# Altium PCB IMX477_MIPI_HDMI.PcbDoc (continued)
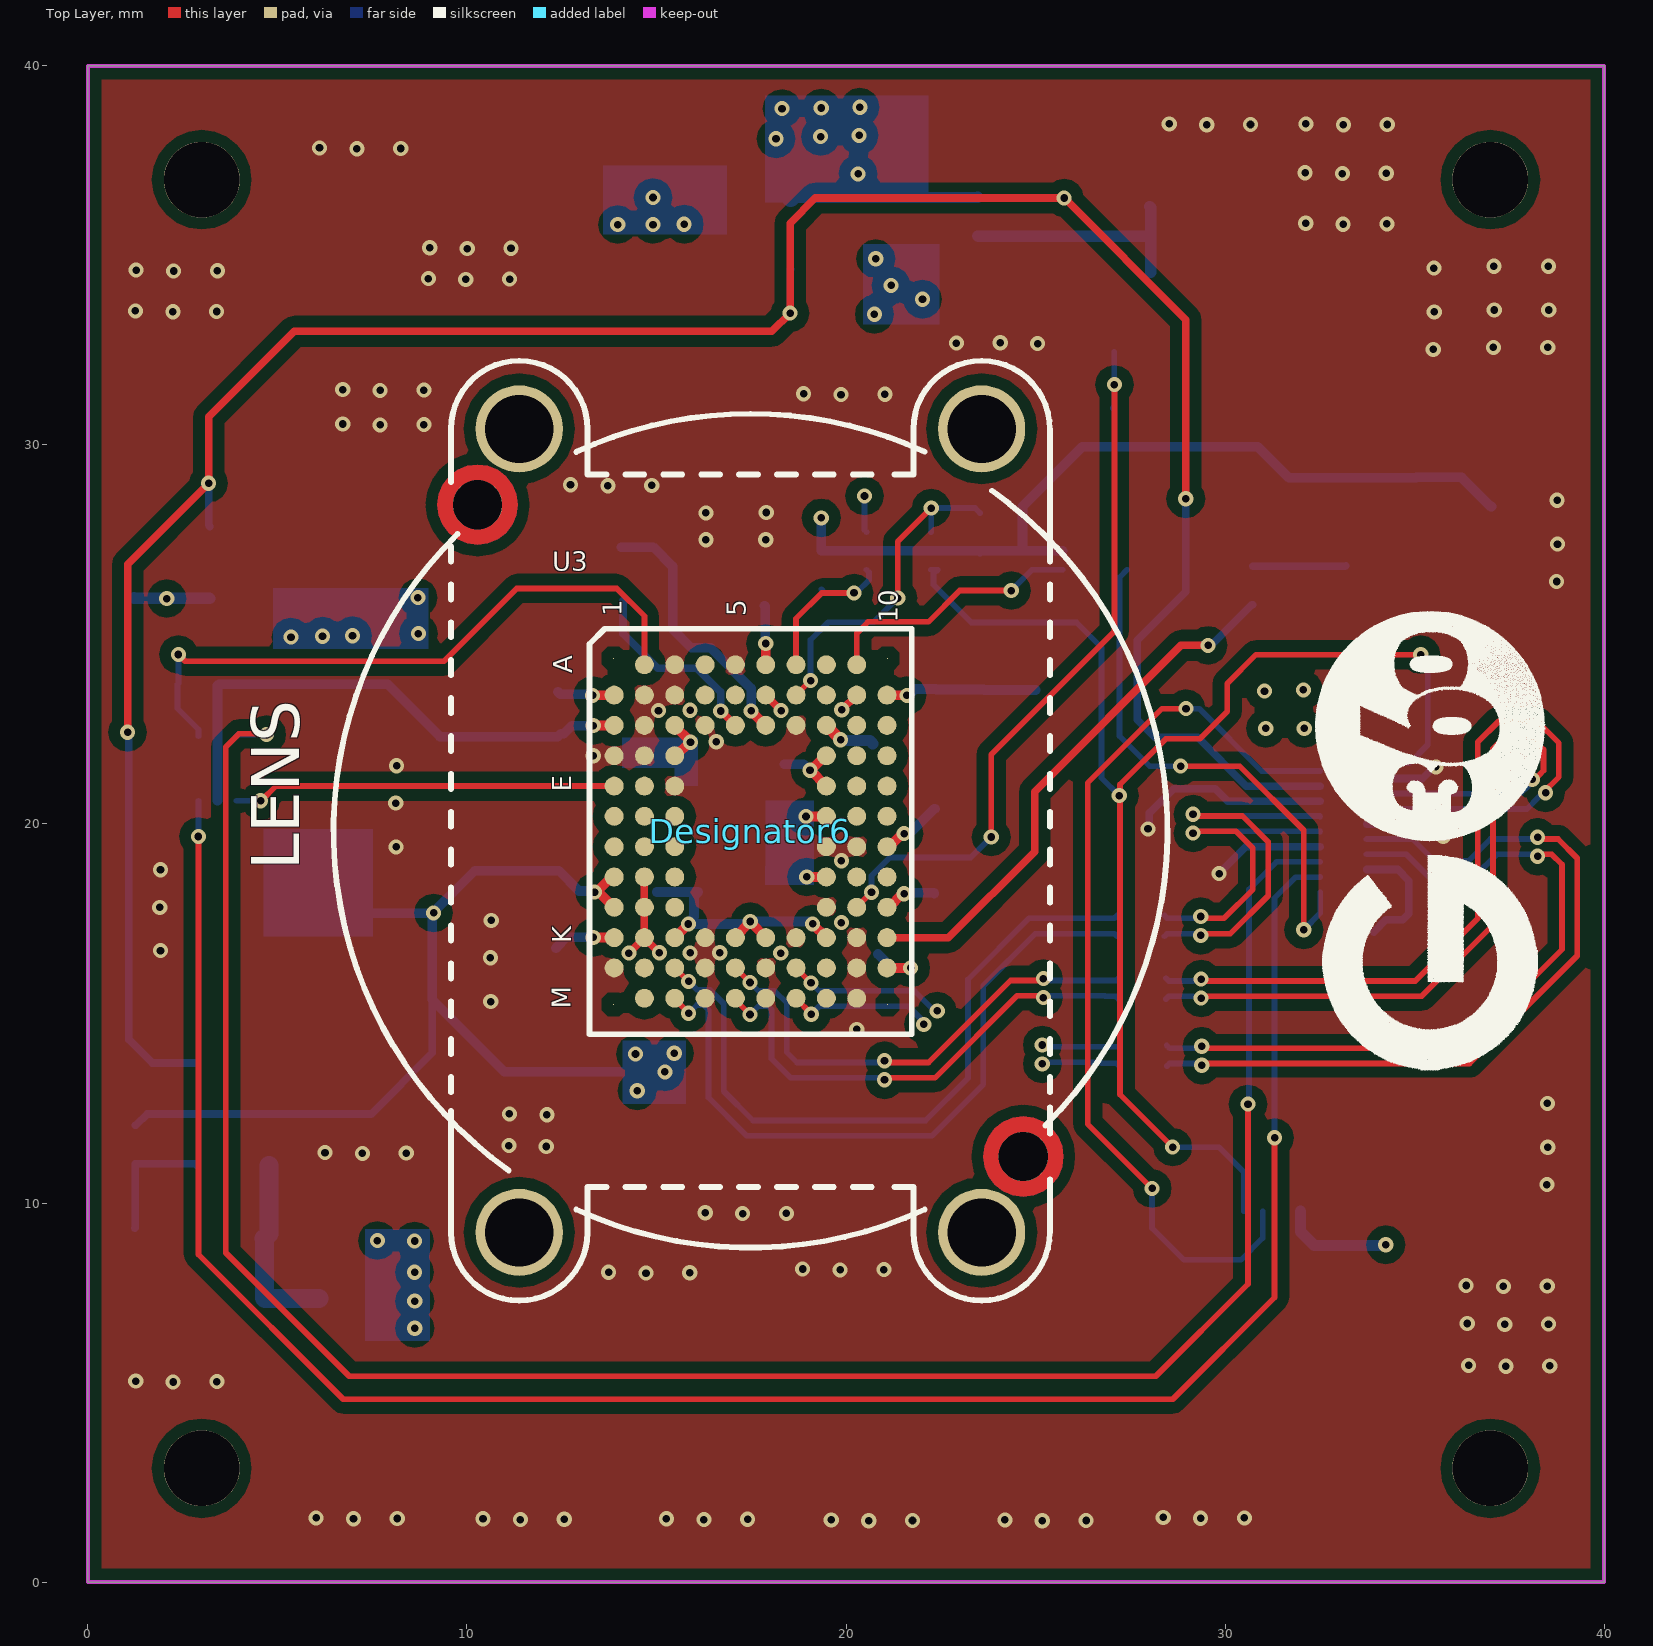
[diagram p0: Top Layer view]
## Components (designator, comment, footprint, x,y, rotation, side; value= is the part's Value field where it differs from the comment)
C1 "1uF" CAP-0402 20.709,22.12 r270 bottom
C2 "2.2uF" CAP-0603 13.313,27.306 r180 bottom
C3 "2.2uF" CAP-0603 13.355,25.89 r180 bottom
C4 "1uF" CAP-0402 37.031,28.378 r270 bottom
C5 "1uF" CAP-0402 22.004,37.94 r0 bottom
C6 "1uF" CAP-0402 13.933,36.542 r180 bottom
C7 "100nF" CAP-0402 33.329,8.88 r270 bottom
C8 "2.2uF" CAP-0603 23.644,22.775 r270 bottom
C9 "100nF" CAP-0402 12.402,23.485 r90 bottom
C10 "1uF" CAP-0402 1.214,25.969 r90 bottom
C11 "1uF" CAP-0402 7.513,25.95 r90 bottom
C12 "100nF" CAP-0402 17.85,25.758 r180 bottom
C13 "100nF" CAP-0402 22.382,23.549 r270 bottom
C14 "100nF" CAP-0402 22.351,20.406 r90 bottom
C15 "100nF" CAP-0402 18.145,20.298 r180 bottom
C16 "100nF" CAP-0402 18.156,19.2 r180 bottom
C17 "100nF" CAP-0402 20.836,16.562 r180 bottom
C18 "100nF" CAP-0402 12.402,18.766 r90 bottom
C19 "2.2uF" CAP-0603 25.011,22.78 r270 bottom
C20 "1uF" CAP-0402 12.35,16.726 r270 bottom
C21 "100nF" CAP-0402 22.333,18.184 r0 bottom
C22 "100nF" CAP-0402 12.399,22.305 r270 bottom
C23 "2.2uF" CAP-0603 14.551,21.14 r270 bottom
C24 "100nF" CAP-0402 15.006,18.204 r90 bottom
C25 "100nF" CAP-0402 16.106,18.209 r90 bottom
C26 "100nF" CAP-0402 15.785,21.28 r270 bottom
C27 "100nF" CAP-0402 18.368,21.58 r180 bottom
C28 "10uF" CAP-0805-S 6.41,20.379 r90 bottom
C29 "2.2uF" CAP-0603 3.897,7.491 r180 bottom
C30 "2.2uF" CAP-0603 3.886,9.061 r180 bottom
C31 "10nF" CAP-0402 28.011,36.294 r0 bottom
Designator6 "Comment" CN_LENS_J6370-MV 17.479,19.825 r90 top
FB1 "BLM18AG601SN1" FBD-0603-S 22.016,35.768 r90 bottom
FB2 "BLM18AG601SN1" FBD-0603-S 6.857,7.477 r180 bottom
FL1 "DLP11SN900HL2L" DLP11SN900HL2L 27.837,13.885 r180 bottom
FL2 "DLP11SN900HL2L" DLP11SN900HL2L 27.778,17.31 r180 bottom
FL3 "DLP11SN900HL2L" DLP11SN900HL2L 27.817,15.656 r180 bottom
J2 "Micro HDMI" HDMI-0467650301 35.335,20 r270 bottom
L1 "4.7uH" IND-1008 5.748,16.579 r90 bottom
MOSFET1 "DMG1024UV-7" SOT-563_DIO 21.417,27.087 r180 bottom
MOSFET2 "DMG1024UV-7" SOT-563_DIO 26.594,27.092 r180 bottom
MOSFET3 "DMG1024UV-7" SOT-563_DIO 3.298,21.441 r90 bottom
R1 "2.2K" RES-0402 23.537,27.191 r90 bottom
R2 "2.2K" RES-0402 19.352,27.209 r270 bottom
R3 "22R" RES-0402 30.728,26.797 r270 bottom
R4 "2.2K" RES-0402 3.381,23.69 r180 bottom
R5 "750R" RES-0402 1.244,12.05 r270 bottom
R6 "2.2K" RES-0402 23.476,36.532 r270 bottom
R7 "22R" RES-0402 24.735,36.521 r270 bottom
R8 "1K" RES-0402 1.231,9.329 r270 bottom
R9 "2.2K" RES-0402 27.04,29.956 r90 bottom
U1 "AP7331-18WG" AP7331-sot-25 17.36,35.583 r180 bottom
U2 "ATSHA204A-MAHCZ-" ATSHA204A 31.174,8.359 r90 bottom
U3 "IMX477" IMX477 17.482,19.802 r270 top
U4 "AP7331-28WG" AP7331-sot-25 4.389,26.9 r0 bottom
U5 "AP3417C" SOT23-5-3D 2.874,13.695 r90 bottom
U6 "" SOT96P240X110-3N 28.038,33.512 r90 bottom
Y1 "24MHz" 3225-OSC 34.118,27.903 r270 bottom

## Footprints (in the part's own frame and the unit in brackets; to place one, negate y for a bottom-side part, rotate by r counter-clockwise, add the part's x,y. Pads: shape width x height; smd on the part's side, far side on the other; paste and mask are expansions set on the pad)
3225-OSC [mil]
  rect 50x40 smd: 1(-48.89,-36.56) 2(42.98,-35.31) 3(42.67,36.56) 4(-48.58,36.25)
  silkscreen extent -114,-74 79,67, body extent -68,-51 62,51, height 31
AP7331-sot-25 [mm]
  rrect15% 1.37x0.59 smd: 1(-1.175,0.95) 2(-1.175,0) 3(-1.175,-0.95) 4(1.175,-0.95) 5(1.175,0.95)
  body extent -1.42,-1.47 1.38,1.53, height 1.31
ATSHA204A [mil]
  rect 22x10 smd: 1(-58.06,32.24) 2(-58.06,12.56) 3(-58.06,-7.13) 4(-58.06,-26.81) 5(56.02,-26.81) 6(56.02,-7.13) 7(56.02,12.56) 8(56.02,32.24)
  silkscreen extent -86,-43 38,48, body extent -61,-37 59,43, height 19
CAP-0402 [mm]
  rect 0.56x0.6 smd mask+0.07: 1(0,0) 2(1.016,0)
  silkscreen extent -0.47,-0.49 1.48,0.49, body extent 0.01,-0.25 1.01,0.25, height 0.49
CAP-0603 [mm]
  rect 0.8x0.9 smd: 1(-0.762,0) 2(0.762,0)
  silkscreen extent -1.34,-0.63 1.34,0.63, body extent -0.8,-0.4 0.8,0.4, height 0.6
CAP-0805-S [mm]
  rect 0.862x1.27 smd: 1(-0.95,0) 2(0.95,0)
  silkscreen extent -1.55,-0.8 1.55,0.8, body extent -1,-0.6 1,0.6, height 0.95
CN_LENS_J6370-MV [mm] "CN_LENS_J6370-MV"
  round 2.3 hole 1.8: 1(-10.6,-6.1) 2(10.6,-6.1) 3(10.6,6.1) 4(-10.6,6.1)
  round 1.3 hole 1.3 unplated: ""(-8.6,-7.2) ""(8.6,7.2)
  Multi-Layer region: -7.541,-7.2 -7.577,-6.926 -7.683,-6.67 -7.851,-6.451 -8.07,-6.283 -8.326,-6.177 -8.6,-6.141 -8.874,-6.177 -9.13,-6.283 -9.13,-6.283 -9.349,-6.451 -9.517,-6.67 -9.623,-6.926 -9.659,-7.2 -9.623,-7.474 -9.517,-7.73 -9.349,-7.949 -9.13,-8.117 -9.13,-8.117 -8.874,-8.223 -8.6,-8.259 -8.326,-8.223 -8.07,-8.117 -7.851,-7.949 -7.683,-7.73 -7.577,-7.474 -7.541,-7.2
  Multi-Layer region: 9.659,7.2 9.623,7.474 9.517,7.73 9.349,7.949 9.13,8.117 8.874,8.223 8.6,8.259 8.326,8.223 8.07,8.117 8.07,8.117 7.851,7.949 7.683,7.73 7.577,7.474 7.541,7.2 7.577,6.926 7.683,6.67 7.851,6.451 8.07,6.283 8.07,6.283 8.326,6.177 8.6,6.141 8.874,6.177 9.13,6.283 9.349,6.451 9.517,6.67 9.623,6.926 9.659,7.2
  silkscreen extent -12.4,-11 12.4,11
DLP11SN900HL2L [mm]
  rect 0.7x0.3 smd: 1(-0.625,0.275) 2(0.625,0.275) 3(0.625,-0.275) 4(-0.625,-0.275)
  body extent -0.62,-0.5 0.63,0.5, height 0.93
FBD-0603-S [mm]
  rect 0.6x0.9 smd: 1(-0.762,0) 2(0.762,0)
  silkscreen extent -1.24,-0.63 1.24,0.63, body extent -0.8,-0.4 0.8,0.4, height 0.79
HDMI-0467650301 [mm]
  rect 0.23x0.85 smd: 1(1.8,2.825) 3(1.4,2.825) 5(1,2.825) 7(0.6,2.825) 9(0.2,2.825) 11(-0.2,2.825) 13(-0.6,2.825) 15(-1,2.825) 17(-1.4,2.825) 19(-1.8,2.825)
  rect 0.23x1 smd: 2(1.6,1.6) 4(1.2,1.6) 6(0.8,1.6) 8(0.4,1.6) 10(0,1.6) 12(-0.4,1.6) 14(-0.8,1.6) 16(-1.2,1.6) 18(-1.6,1.6)
  rect 1.8x1.38 smd: 20(-2.85,1.41) 21(2.85,1.41)
  rect 1.7x2 smd: 22(-2.9,-1.95) 23(2.9,-1.95)
  body extent -3.28,-4.4 3.22,3.1, height 2.98
IMX477 [mm] "LGA92-0R8-10R7X8R5-MV"
  oct 0.025x0.025 smd: A1(-4.565,-3.615) A10(-4.565,3.615) M1(4.565,-3.615) M10(4.565,3.615)
  round 0.5 smd: A2(-4.4,-2.8) A3(-4.4,-2) A4(-4.4,-1.2) A5(-4.4,-0.4) A6(-4.4,0.4) A7(-4.4,1.2) A8(-4.4,2) A9(-4.4,2.8) B1(-3.6,-3.6) B2(-3.6,-2.8) B3(-3.6,-2) B4(-3.6,-1.2) B5(-3.6,-0.4) B6(-3.6,0.4) B7(-3.6,1.2) B8(-3.6,2) B9(-3.6,2.8) B10(-3.6,3.6) C1(-2.8,-3.6) C2(-2.8,-2.8) C3(-2.8,-2) C4(-2.8,-1.2) C5(-2.8,-0.4) C6(-2.8,0.4) C7(-2.8,1.2) C8(-2.8,2) C9(-2.8,2.8) C10(-2.8,3.6) D1(-2,-3.6) D2(-2,-2.8) D3(-2,-2) D8(-2,2) D9(-2,2.8) D10(-2,3.6) E1(-1.2,-3.6) E2(-1.2,-2.8) E3(-1.2,-2) E8(-1.2,2) E9(-1.2,2.8) E10(-1.2,3.6) F1(-0.4,-3.6) F2(-0.4,-2.8) F3(-0.4,-2) F8(-0.4,2) F9(-0.4,2.8) F10(-0.4,3.6) G1(0.4,-3.6) G2(0.4,-2.8) G3(0.4,-2) G8(0.4,2) G9(0.4,2.8) G10(0.4,3.6) H1(1.2,-3.6) H2(1.2,-2.8) H3(1.2,-2) H8(1.2,2) H9(1.2,2.8) H10(1.2,3.6) J1(2,-3.6) J2(2,-2.8) J3(2,-2) J8(2,2) J9(2,2.8) J10(2,3.6) K1(2.8,-3.6) K2(2.8,-2.8) K3(2.8,-2) K4(2.8,-1.2) K5(2.8,-0.4) K6(2.8,0.4) K7(2.8,1.2) K8(2.8,2) K9(2.8,2.8) K10(2.8,3.6) L1(3.6,-3.6) L2(3.6,-2.8) L3(3.6,-2) L4(3.6,-1.2) L5(3.6,-0.4) L6(3.6,0.4) L7(3.6,1.2) L8(3.6,2) L9(3.6,2.8) L10(3.6,3.6) M2(4.4,-2.8) M3(4.4,-2) M4(4.4,-1.2) M5(4.4,-0.4) M6(4.4,0.4) M7(4.4,1.2) M8(4.4,2) M9(4.4,2.8)
  silkscreen extent -5.35,-4.25 5.35,4.25, body extent -5.37,-4.28 5.35,4.25, height 1.2
IND-1008 [mm]
  rect 1.24x2.22 smd: 1(-1.09,0) 2(1.09,0)
  body extent -1.25,-1 1.25,1, height 0.99
RES-0402 [mm]
  rect 0.56x0.6 smd mask+0.07: 1(0,0) 2(1.016,0)
  silkscreen extent -0.47,-0.49 1.48,0.49, body extent 0.01,-0.25 1.01,0.25, height 0.37
SOT23-5-3D [mm] "0.95mm Pitch, 1.7mm W X 2.9mm L, 6pin"
  rect 1.1x0.5 smd: 1(0,0)
  oval 1.1x0.5 smd: 2(0,0.95) 3(0,1.9) 4(-2.7,1.9) 5(-2.7,0)
  silkscreen extent -1.83,-0.9 0.1,2.4, body extent -2.75,-0.5 0.05,2.4, height 1.22
SOT96P240X110-3N [mm]
  rect 1.1x0.65 smd: 1(-1.05,0.96) 2(-1.05,-0.96) 3(1.05,0)
  body extent -1.25,-1.42 1.15,1.48, height 1.1
SOT-563_DIO [mil]
  rect 24x10 smd: 1(-32.56,24.37) 2(-32.56,4.69) 3(-32.56,-15) 4(34.44,-15) 5(34.44,4.69) 6(34.44,24.37)
  silkscreen extent -61,-34 30,43, body extent -34,-29 34,38, height 24

## Part data
C1 C2 C3 C4 C5 C6 C7 C8 C9 C10 C11 C12 C13 C14 C15 C16 C17 C18 C19 C20 C21 C22 C23 C24 C25 C26 C27 C28 C29 C30 C31: library part CAP, "Capacitor"
FB1 FB2 L1: library part INDUCTOR, "Inductor"
FL1 FL2 FL3: Package=FIL_DLP11SN900HL2L, DeviceSetName=DLP11SN900HL2L, Digi-Key_Part_Number=490-5143-1-ND, GateName_1=G$1, LibraryName=DLP11SN900HL2L, MF=Murata, Mouser-Purchase-URL=https://snapeda.com/shop?store=Mouser&id=4300514, MP=DLP11SN900HL2L, SymbolName_1=DLP11SN900HL2L
J2: library part HDMI-0467650301, Manufacturer_Name=Molex, Manufacturer_Part_Number=0467650301, Arrow_Part_Number=0467650301, Arrow_Price-Stock=https://www.arrow.com/en/products/0467650301/molex, DeviceSetName=0467650301, GateName_1=G$1, Height=3mm, LibraryName=0467650301, Package=0467650301, SymbolName_1=0467650301
R1 R2 R3 R4 R5 R6 R7 R8 R9: library part RES
U1 U4: library part AP7331-xxWG-7, Package=SOT95P285X145-5N, DeviceSetName=AP7331-18WG-7, Digi-Key_Part_Number=AP7331-18WG-7DICT-ND, GateName_1=G$1, LibraryName=AP7331-18WG-7, MF="Diodes Inc.", Mouser-Purchase-URL=https://snapeda.com/shop?store=Mouser&id=494406, MP=AP7331-18WG-7, SymbolName_1=AP7331-18WG-7
U2: Manufacturer_Part_Number=ATSHA204A-MAHCZ-T, Built_By=EMA_Molly, Copyright="Copyright (C) 2018 Accelerated Designs. All rights reserved", SourceLibrary=Microchip_2019-08-23_25, Vendor=Microchip
U6: library part APX803-29SAG-7, Manufacturer_Name="Diodes Inc.", Package=SOT96P240X110-3N, Arrow_Part_Number=APX803-29SAG-7, Arrow_Price-Stock=https://www.arrow.com/en/products/apx803-29sag-7/diodes-incorporated, DeviceSetName=APX803-29SAG-7, GateName_1=G$1, Height=1.1mm, LibraryName=APX803-29SAG-7, Manufacturer_Part_Number=APX803-29SAG-7, Mouser_Part_Number=621-APX803-29SAG-7, Mouser_Price-Stock=https://www.mouser.com/Search/Refine.aspx?Keyword=621-APX803-29SAG-7, SymbolName_1=APX803-29SAG-7
Y1: library part OSC-3225
MOSFET1 MOSFET2 MOSFET3: Built_By=EMA_Cory, C="Copyright (C) 2018 Accelerated Designs. All rights reserved", Copyright="Copyright (C) 2018 Accelerated Designs. All rights reserved", Datasheet=https://www.diodes.com/assets/Datasheets/ds31974.pdf, Manufacturer_Part_Number=DMG1024UV-7, SourceLibrary=Diodes_Inc_2020-03-09, Vendor="Diodes Inc"

## Free pads (board coordinates)
  round 2 hole 2: 5(3,3) 5(3,37) 5(37,3) 5(37,37)

## Via types
v1: diameter 0.4, hole 0.2, Top Layer to Bottom Layer, tented both sides, 244 vias

## Nets (pads, with @x,y where several pads share a name; then routed paths per layer and width w, separated by ;. In a path a pad name is that pad's centre, name@x,y a point inside that pad or via, vN(x,y) a via of type N, cw(c..) or ccw(c..) an arc to the next point about the centre after c; other vN are vias at no path point)
1V05: C8.1 C9.1 C12.1 C13.1 C14.1 C15.1 C16.1 C17.1 C18.1 C19.1 C28.1 L1.2 R5.1 U3.A6 U3.B1 U3.B10 U3.F8 U3.G10 U3.H1 U3.H8 U3.J1 U3.L10 | length 82.9
  Top Layer w0.254: v1(13.315,23.392) 13.32,23.397 13.877,23.397 U3.B1 ; U3.J1 13.875,17.802 13.445,18.232 13.815,18.602 U3.H1 ; U3.A6 U3.A6 17.883,24.761 v1(17.884,24.762) ; v1(18.944,20.197) 18.947,20.2 19.479,20.2 U3.F8 ; v1(18.965,18.604) 18.966,18.603 19.481,18.603 U3.H8 ; U3.L10 v1@21.61,16.202 ; U3.G10 21.147,19.402 21.493,19.748 v1(21.533,19.748) ; U3.B10 21.086,23.397 21.604,23.397 v1(21.608,23.393)
  Layer 2 w0.254: v1(9.119,17.655) 9.119,21.485 11.026,23.392 v1(13.315,23.392) ; v1(15.22,13.46) 16.165,12.515 21.192,12.515 23.42,14.743 23.42,15.793 23.011,16.202 v1(21.706,16.202) 19.481,16.202 18.563,17.12 18.563,18.184 18.965,18.586 v1(18.965,18.604) 18.993,18.632 18.993,19.161 19.58,19.748 v1(21.533,19.748) 21.533,23.278 21.608,23.353 v1(21.608,23.393) 20.595,24.406 18.793,24.406 18.465,24.734 17.912,24.734 v1(17.884,24.762)
  Bottom Layer w0.2: R5.1 1.264,12.05 1.562,12.348 7.472,12.348 9.086,13.962 9.086,15.362
  Bottom Layer w0.254: L1.2@5.745,17.666 L1.2 6.241,18.162 6.241,19.26 C28.1 ; L1.2@5.792,17.647 9.086,17.647 9.086,15.362 10.988,13.46 v1(15.22,13.46) ; v1@9.107,17.667 10.205,18.766 C18.1 12.422,18.766 12.956,18.232 13.337,18.232 v1(13.365,18.204) ; C9.1 12.467,23.42 13.287,23.42 v1(13.315,23.392) ; C12.1 17.867,25.741 17.867,24.779 v1(17.884,24.762) ; C15.1 C15.1@18.15,20.293 ; v1(18.944,20.197) 18.916,20.225 18.218,20.225 C15.1@18.15,20.293 ; v1(18.965,18.604) 18.937,18.632 18.704,18.632 18.156,19.18 C16.1 18.15,19.205 C15.1@18.15,20.293 ; C17.1 20.845,16.571 21.213,16.202 v1(21.706,16.202) ; v1(21.533,19.748) 21.561,19.776 21.701,19.776 22.331,20.406 C14.1 ; v1(21.608,23.393) 21.648,23.393 21.816,23.561 22.37,23.561 C13.1 23.632,23.549 C8.1 25.006,23.537 C19.1
  other v1: 14.491,12.961 14.445,13.931 15.469,13.953
1V8: C4.1 C6.1 C20.1 C21.1 C22.1 MOSFET1.2 MOSFET1.5 MOSFET2.5 MOSFET3.2 MOSFET3.5 R1.1 R2.1 R4.1 R9.1 U1.5 U3.C1 U3.J10 U3.K1 Y1.1 Y1.4 | length 97.6
  Top Layer w0.254: v1(13.332,17.007) 13.335,17.004 13.88,17.004 U3.K1 ; v1(13.332,22.596) 13.335,22.599 13.879,22.599 U3.C1 ; U3.J10 21.134,17.802 21.493,18.161 v1(21.533,18.161)
  Layer 2 w0.254: v1@13.315,22.596 12.758,22.596 11.966,21.804 11.966,18.373 v1(13.332,17.007) 13.332,12.243 14.34,11.235 21.246,11.235 24.165,14.154 24.165,18.105 24.109,18.161 ; v1(13.332,22.596) v1@13.36,22.568 ; v1(14.907,36.53) v1(14.907,35.814) 14.907,32.841 19.36,28.388 19.36,28.091 v1(19.347,28.078) 19.347,25.602 19.796,25.153 22.656,25.153 25.347,22.462 25.347,19.21 24.298,18.161 24.109,18.161 ; v1(21.533,18.161) 24.109,18.161
  Bottom Layer w0.254: MOSFET3.2 MOSFET3.5 3.417,23.654 3.453,23.69 7.902,23.69 9.287,22.305 C22.1 12.477,22.383 12.555,22.383 12.768,22.596 v1(13.332,22.596) ; C20.1 12.37,16.746 12.37,16.759 12.618,17.007 v1(13.332,17.007) ; C6.1 13.933,36.533 U1.5 ; v1(19.347,28.078) 19.35,28.075 19.35,27.208 19.352,27.206 MOSFET1.5 MOSFET1.2 R1.1@23.537,27.206 ; v1(21.533,18.161) 21.561,18.189 22.328,18.189 C21.1 C21.1@22.333,18.164 ; R1.1 R1.1@23.537,27.206 ; MOSFET2.5 24.657,27.211 ; C4.1 37.011,28.378 36.244,29.145 Y1.1 35.039,29.137 Y1.4 31.679,29.137 30.86,29.956 R9.1 26.236,29.956 24.657,28.377 24.657,27.211 ; R1.1@23.537,27.206 23.537,27.211 24.657,27.211
  other v1: 13.978,35.814 15.73,35.824
2V8: C11.1 C23.1 C24.1 C25.1 C26.1 C27.1 U3.C3 U3.D3 U3.D8 U3.E8 U3.K3 U3.K5 U3.K6 U3.K8 U4.5 | length 33.8
  Top Layer w0.254: U3.D3 15.513,21.802 15.866,22.155 v1(15.897,22.155) 15.897,22.171 15.482,22.586 U3.C3 ; U3.K3 v1(15.843,17.362) ; U3.K5 17.082,17.02 17.472,17.41 17.482,17.41 17.882,17.01 U3.K6 ; v1(19.05,21.419) v1@19.057,21.419 ; v1(19.12,17.365) U3.K8@19.482,17.002 ; U3.E8 19.475,21.002 v1@19.057,21.419 ; U3.D8 19.457,21.802 19.075,21.419 v1@19.057,21.419
  Layer 2 w0.254: v1(8.706,25.973) 12.636,25.973 14.337,24.272 14.337,22.907 15.089,22.155 v1(15.897,22.155) 15.925,22.127 15.925,21.696 16.202,21.419 ; v1(15.843,17.362) 15.843,21.06 16.202,21.419 ; v1(19.05,21.419) 16.202,21.419
  Bottom Layer w0.254: U4.5 C11.1 7.525,25.962 8.694,25.962 v1(8.706,25.973) ; C23.1@14.401,21.911 14.645,22.155 v1(15.897,22.155) 15.869,22.127 15.869,21.364 C26.1 ; C24.1 15.009,18.207 C25.1@16.104,18.207 ; C25.1 C25.1@16.104,18.207 ; C27.1 18.371,21.577 18.887,21.577 19.045,21.419 v1(19.05,21.419) ; v1(19.12,17.365) 19.08,17.365 19.017,17.428 v1(17.472,17.428) 17.432,17.428 17.366,17.362 v1(15.843,17.362) 15.843,17.402 15.989,17.548 15.989,18.092 C25.1@16.104,18.207
  other v1: 5.356,24.932 6.188,24.955 6.979,24.968 8.717,25.025
3.3VF: C5.1 C10.1 FB1.2 R6.1 U1.1 U4.1 | length 34.7
  Layer 2 w0.5: v1(2.079,25.948) 3.378,25.948 5.592,28.162 5.592,33.786 10.006,38.2 18.034,38.2 v1(18.154,38.08)
  Bottom Layer w0.3: C10.1 1.223,25.96 3.205,25.96 U4.1 ; U1.1 FB1.2@22.016,36.533 ; C5.1@21.881,37.984 22.016,37.849 FB1.2@22.016,36.533 ; R6.1 R6.1 FB1.2 FB1.2 FB1.2@22.016,36.533
  Bottom Layer w0.5: v1(18.154,38.08) 18.535,37.699 U1.1
  other v1: 20.32,37.154 19.331,38.136 20.345,38.169 18.312,38.876 19.347,38.892 20.366,38.913
3V3: C7.1 FB1.1 FB2.1 J2.19 U2.8 | length 76.4
  Layer 2 w0.3: v1(7.635,9.007) 7.635,5.355 8.914,4.076 29.42,4.076 v1(34.241,8.897) 34.956,8.897 36.481,10.422 36.481,21.808 35.768,22.521 v1(32.09,22.521) ; v1(22.018,33.847) 29.854,33.847 32.067,31.634 v1(32.067,23.538)
  Bottom Layer w0.3: FB2.1 7.627,7.485 7.627,8.999 v1(7.635,9.007) ; FB1.1 22.018,35.004 v1(22.018,33.847) ; U2.8 31.993,9.241 32.354,8.88 C7.1 34.224,8.88 v1(34.241,8.897)
  other v1: 8.621,6.694 8.621,7.411 8.617,8.175 8.617,8.997 31.074,22.523 31.042,23.507 20.748,33.451 21.189,34.211 20.784,34.915
ENABLE: J2.15 R7.1 U1.3 U4.3 U5.1 | length 70.2
  Top Layer w0.2: v1(1.045,22.419) 1.045,26.855 v1(3.181,28.991) 3.181,30.739 5.442,33 18.044,33 v1(18.524,33.48) 18.524,35.854 19.188,36.518 v1(25.756,36.518) 28.966,33.308 v1(28.966,28.58)
  Bottom Layer w0.2: v1(1.045,22.419) 1.08,22.384 1.08,14.315 1.7,13.695 U5.1 ; v1(3.181,28.991) 3.181,27.883 U4.3 ; v1(18.524,33.48) 18.524,34.622 U1.3 ; R7.1 24.737,36.519 25.755,36.519 v1(25.756,36.518) ; v1(28.966,28.58) 28.966,26.131 27.685,24.85 27.685,22.749 28.149,22.285 29.276,22.285 30.561,21 J2.15
FSTROBE: J2.5 MOSFET3.6 | length 57.3
  Top Layer w0.15: v1(4.714,22.36) 4.694,22.38 3.981,22.38 3.635,22.034 3.635,8.686 6.892,5.429 28.173,5.429 30.606,7.862 v1(30.606,12.608)
  Bottom Layer w0.15: MOSFET3.6 3.961,22.36 v1(4.714,22.36) ; v1(30.606,12.608) 30.631,12.633 30.631,18.274 31.357,19 J2.5
FSTROBE_1V8: MOSFET3.1 U3.E1 | length 10.1
  Top Layer w0.15: v1(4.553,20.615) 4.571,20.615 4.958,21.002 U3.E1
  Bottom Layer w0.15: MOSFET3.1 3.918,20.615 v1(4.553,20.615)
GND: C1.2 C2.2 C3.2 C4.2 C5.2 C6.2 C7.2 C8.2 C9.2 C10.2 C11.2 C12.2 C13.2 C14.2 C15.2 C16.2 C17.2 C18.2 C19.2 C20.2 C21.2 C22.2 C23.2 C24.2 C25.2 C26.2 C27.2 C28.2 C29.2 C30.2 C31.2 J2.4 J2.7 J2.10 J2.13 J2.16 J2.20 J2.21 J2.22 J2.23 MOSFET2.1 R8.2 U1.2 U2.4 U3.A3 U3.A5 U3.B2 U3.B3 U3.B6 U3.B9 U3.C2 U3.C4 U3.C7 U3.D1 U3.D2 U3.E3 U3.G8 U3.G9 U3.H2 U3.J2 U3.J8 U3.K2 U3.K4 U3.K7 U3.K9 U3.L1 U3.L4 U3.L6 U3.L9 U3.M4 U3.M6 U3.M9 U4.2 U5.2 U6.1 Y1.2 | length 19.5
  Top Layer w0.2: v1(14.27,16.593) 14.272,16.593 U3.K2 U3.K2 ; U3.H2 U3.J2 U3.K2 ; v1(15.078,16.603) 14.682,16.999 U3.K2 ; U3.B6 17.882,23.4 18.289,22.993 v1(18.289,22.991) ; v1(19.889,23.013) 20.278,23.402 U3.B9
  Bottom Layer w0.2: v1(27.968,19.871) 28.006,19.909 28.006,20.289 28.648,20.931 29.737,20.931 30.068,20.6 J2.13 ; v1@29.859,18.711 30.548,19.4 J2.7 ; J2.4 34.555,18.8 34.849,18.506 34.849,17.633 34.688,17.472 34.247,17.472 J2.21 ; J2.10 33.736,19.999 35.283,19.999 35.605,19.677 v1(35.76,19.677) ; J2.16 35.203,21.2 35.509,21.506 v1(35.563,21.506)
  other v1: 20.599,1.615 25.178,1.615 19.612,1.638 21.755,1.623 24.191,1.638 26.334,1.623 7.005,1.668 11.409,1.648 12.565,1.656 16.249,1.648 17.405,1.656 6.018,1.691 8.161,1.676 10.422,1.671 15.262,1.671 29.357,1.682 30.513,1.69 28.37,1.705 1.259,5.301 2.246,5.278 3.402,5.286 37.413,5.694 38.569,5.702 36.426,5.717 37.38,6.797 36.393,6.82 38.536,6.805 37.347,7.8 38.503,7.808 36.36,7.823 14.723,8.152 15.879,8.16 13.736,8.175 19.843,8.235 20.999,8.243 18.856,8.258 17.272,9.719 16.285,9.742 18.428,9.727 38.492,10.485 7.241,11.308 8.397,11.316 6.254,11.331 38.515,11.472 12.092,11.49 11.105,11.513 12.107,12.329 11.12,12.352 38.507,12.628 20.282,14.579 10.626,15.314 10.618,16.47 15.887,16.599 18.277,16.593 16.67,16.605 1.913,16.659 19.879,17.398 10.641,17.457 1.895,17.8 29.844,18.69 1.913,18.793 19.879,19.03 8.128,19.396 8.12,20.552 8.143,21.539 13.332,21.802 16.578,22.172 15.052,22.993 15.887,23.002 38.749,26.398 38.772,27.385 16.302,27.499 17.884,27.499 16.302,28.207 17.896,28.219 38.764,28.541 12.73,28.949 13.717,28.926 14.873,28.934 7.707,30.531 8.863,30.539 6.72,30.554 19.869,31.33 18.882,31.353 21.025,31.338 6.72,31.463 7.707,31.44 8.863,31.448 35.496,32.524 37.081,32.574 38.517,32.574 25.055,32.674 22.912,32.689 24.068,32.697 2.239,33.515 35.519,33.511 1.252,33.538 3.395,33.523 37.104,33.561 38.54,33.561 9.968,34.368 11.124,34.376 8.981,34.391 1.271,34.613 2.258,34.59 3.414,34.598 35.511,34.667 37.096,34.717 38.532,34.717 10.005,35.183 11.161,35.191 9.018,35.206 33.117,35.826 32.13,35.849 34.273,35.834 33.099,37.16 34.255,37.168 32.112,37.183 6.108,37.838 7.095,37.815 8.251,37.823 28.53,38.472 29.517,38.449 30.673,38.457 32.136,38.472 33.123,38.449 34.279,38.457
GPO: J2.1 MOSFET2.3 | length 14.2
  Top Layer w0.15: v1(28.827,21.526) 30.385,21.526 32.077,19.834 v1(32.077,17.211)
  Bottom Layer w0.15: MOSFET2.3 27.214,26.504 27.214,22.323 28.011,21.526 v1(28.827,21.526) ; v1(32.077,17.211) 32.51,17.644 J2.1
GPO_1V8: MOSFET2.4 U3.A9 | length 7
  Top Layer w0.15: U3.A9 20.282,25.035 20.581,25.334 22.175,25.334 23,26.159 v1(24.362,26.159)
  Bottom Layer w0.15: v1(24.362,26.159) 24.914,26.711 MOSFET2.4
HDMI_MIPI_CLK_N: FL3.4 J2.14 | length 21
  Top Layer w0.15: v1(29.37,15.406) 29.418,15.454 29.583,15.454 35.188,15.454 37.069,17.335 37.069,21.989 37.388,22.308 38.062,22.308 38.404,21.966 38.404,21.407 38.289,21.293 38.173,21.176 v1(38.105,21.176)
  Bottom Layer w0.15: FL3.4 28.515,15.454 29.157,15.454 ; J2.14 33.739,20.804 35.814,20.804 35.817,20.801 37.798,20.801 37.988,20.992 38.105,21.108 v1(38.105,21.176)
HDMI_MIPI_CLK_P: FL3.1 J2.12 | length 22.4
  Top Layer w0.15: v1(29.37,15.906) 29.418,15.858 29.583,15.858 35.021,15.858 36.665,17.502 36.665,22.156 37.221,22.712 38.229,22.712 38.808,22.133 38.808,21.24 38.575,21.007 38.459,20.89 v1(38.459,20.822)
  Bottom Layer w0.15: FL3.1 28.515,15.858 29.157,15.858 ; J2.12@33.739,20.396 J2.12 35.647,20.4 35.65,20.397 37.965,20.397 38.274,20.706 38.391,20.822 v1(38.459,20.822)
HDMI_MIPI_D0_N: FL2.4 J2.11 | length 10.3
  Top Layer w0.15: v1(29.156,20.259) 29.204,20.211 v1@29.295,20.211 ; v1@29.295,20.211 30.457,20.211 31.14,19.528 31.14,18.106 30.142,17.108 29.572,17.108 29.407,17.108 v1(29.359,17.06)
  Bottom Layer w0.15: FL2.4 28.476,17.108 29.146,17.108 29.311,17.108 v1(29.359,17.06) ; v1(29.156,20.259) 29.204,20.211 29.369,20.211 ; 29.369,20.211 32.499,20.211 J2.11
HDMI_MIPI_D0_P: FL2.1 J2.9 | length 9
  Top Layer w0.15: v1(29.156,19.759) 29.204,19.807 29.295,19.807 30.29,19.807 30.736,19.361 30.736,18.273 29.975,17.512 29.572,17.512 29.407,17.512 v1(29.359,17.56)
  Bottom Layer w0.15: FL2.1 28.476,17.512 29.146,17.512 29.311,17.512 v1(29.359,17.56) ; v1(29.156,19.759) 29.204,19.807 29.369,19.807 32.503,19.807 J2.9
HDMI_MIPI_D1_N: FL1.4 J2.8 | length 20.9
  Top Layer w0.15: v1(29.388,13.635) 29.436,13.683 29.601,13.683 ; 29.603,13.683 36.451,13.683 39.294,16.526 39.294,19.097 38.789,19.602 38.46,19.602 38.295,19.602 v1(38.247,19.65)
  Bottom Layer w0.15: FL1.4 28.535,13.683 29.175,13.683 29.34,13.683 v1(29.388,13.635) ; J2.8 33.739,19.604 34.951,19.604 35.532,19.024 36.424,19.024 37.003,19.602 37.863,19.602 38.199,19.602 v1(38.247,19.65)
HDMI_MIPI_D1_P: FL1.1 J2.6 | length 19.3
  Top Layer w0.15: v1@29.436,14.087 29.601,14.087 ; 29.601,14.087 36.284,14.087 38.89,16.693 38.89,18.93 38.622,19.198 38.46,19.198 38.295,19.198 v1(38.247,19.15)
  Bottom Layer w0.15: FL1.1 28.535,14.087 29.175,14.087 ; J2.6 34.784,19.2 35.364,18.62 36.592,18.62 37.17,19.198 37.863,19.198 38.199,19.198 v1(38.247,19.15)
  other v1: 29.388,14.135
INCK: R3.2 U3.K10 | length 14.2
  Top Layer w0.2: U3.K10 22.703,17.002 24.975,19.274 24.975,20.85 28.839,24.714 v1(29.554,24.714)
  Bottom Layer w0.2: v1(29.554,24.714) 29.592,24.752 29.679,24.752 30.708,25.781 R3.2
MIPI_CLK_N: FL3.3 U3.M5 | length 13
  Top Layer w0.15: U3.M5 17.082,15.357 v1(17.466,14.973) ; v1(21.016,13.253) 21.064,13.301 21.229,13.301 ; 21.229,13.301 22.344,13.301 24.511,15.468 25.159,15.468 v1(25.207,15.42)
  Bottom Layer w0.15: v1(17.466,14.973) 17.687,15.194 17.948,15.194 18.036,15.106 18.036,13.807 18.542,13.301 20.968,13.301 v1(21.016,13.253) ; v1(25.207,15.42) 25.255,15.468 25.42,15.468 25.815,15.468 26.827,15.468 26.839,15.456 27.117,15.456 FL3.3
MIPI_CLK_P: FL3.2 U3.L5 | length 12.9
  Top Layer w0.15: U3.L5 v1(17.466,15.819) ; v1(21.016,13.753) 21.064,13.705 21.229,13.705 22.177,13.705 24.344,15.872 25.159,15.872 v1(25.207,15.92)
  Bottom Layer w0.15: v1(17.466,15.819) 17.687,15.598 18.115,15.598 18.44,15.273 18.44,13.974 18.709,13.705 20.968,13.705 v1(21.016,13.753) ; v1(25.207,15.92) 25.255,15.872 25.42,15.872 25.982,15.872 27.133,15.872 FL3.2
MIPI_D0_N: FL2.3 U3.M3 | length 18.5
  Top Layer w0.15: U3.M3 15.482,15.387 15.847,15.022 v1(15.847,15.007)
  Bottom Layer w0.15: v1(15.847,15.007) 16.064,15.225 16.236,15.225 16.37,15.091 16.37,12.78 17.377,11.773 22.269,11.773 23.621,13.125 23.621,15.733 24.996,17.108 27.08,17.108 FL2.3
MIPI_D0_P: FL2.2 U3.L3 | length 18.5
  Top Layer w0.15: U3.L3 15.486,16.202 15.843,15.846 v1(15.847,15.846)
  Bottom Layer w0.15: v1(15.847,15.846) 16.064,15.629 16.403,15.629 16.774,15.258 16.774,12.947 17.544,12.177 22.102,12.177 23.217,13.292 23.217,15.9 24.829,17.512 27.08,17.512 FL2.2
MIPI_D1_N: FL1.3 U3.M7 | length 9.5
  Top Layer w0.15: U3.M7 18.682,15.392 19.082,14.992 v1(19.082,14.982)
  Layer 1 w0.15: v1(22.053,14.714) 22.12,14.714 22.237,14.597 23.117,13.717 25.132,13.717 v1(25.18,13.669)
  Bottom Layer w0.15: v1(19.082,14.982) v1(19.082,14.982) 19.295,15.194 19.419,15.194 21.641,15.194 22.053,14.781 v1(22.053,14.714) ; v1(25.18,13.669) 25.228,13.717 25.393,13.717 25.745,13.717 26.713,13.717 26.745,13.685 27.137,13.685 FL1.3
MIPI_D1_P: FL1.2 U3.L7 | length 9.5
  Top Layer w0.15: U3.L7 18.684,16.202 v1(19.077,15.809)
  Layer 1 w0.15: v1(22.406,15.067) 22.406,14.999 22.523,14.883 23.284,14.121 25.09,14.121 25.138,14.169 v1(25.18,14.169)
  Bottom Layer w0.15: v1(19.077,15.809) v1(19.077,15.809) 19.29,15.598 19.586,15.598 21.808,15.597 22.338,15.067 v1(22.406,15.067) ; v1(25.18,14.169) 25.228,14.121 25.393,14.121 25.912,14.121 27.173,14.121 FL1.2
NetC1_1: C1.1 U3.C8 | length 1.4
  Top Layer w0.3: U3.C8 19.482,22.6 19.859,22.223 v1(19.859,22.221)
  Bottom Layer w0.3: v1(19.859,22.221) 19.878,22.202 20.627,22.202 C1.1
NetC2_1: C2.1 U3.C6 | length 7.1
  Top Layer w0.254: v1(17.496,22.984) 17.498,22.984 17.88,22.602 U3.C6
  Bottom Layer w0.254: C2.1 14.915,27.306 15.425,26.796 15.425,25.14 15.915,24.65 16.427,24.65 17.496,23.581 v1(17.496,22.984)
NetC3_1: C3.1 U3.C5 | length 5.1
  Top Layer w0.2: v1(16.695,22.982) 17.075,22.602 U3.C5
  Bottom Layer w0.2: C3.1 14.117,25.024 15.032,24.109 16.068,24.109 16.695,23.482 v1(16.695,22.982)
NetC29_1: C29.1 C30.1 FB2.2 U5.4 | length 5
  Bottom Layer w0.5: U5.4 4.774,9.187 C30.1 4.654,9.056 4.654,7.497 C29.1 4.666,7.484 6.088,7.484 FB2.2
NetC31_1: C31.1 R6.2 R7.2 U6.3 | length 6.3
  Bottom Layer w0.3: R6.2 23.482,35.51 24.73,35.51 R7.2 28.036,35.505 28.038,35.503 ; C31.1 28.038,36.267 28.038,35.503 ; U6.3 28.038,35.503
NetL1_1: L1.1 U5.3
NetR3_1: R3.1 Y1.3 | length 2.5
  Bottom Layer w0.2: R3.1 33.167,26.797 Y1.3
NetR5_2: R5.2 R8.1 U5.5 | length 3.4
  Bottom Layer w0.2: R8.1 1.244,9.342 R5.2 2.835,11.034 U5.5
SCL: J2.17 MOSFET1.6 U2.6 | length 36.1
  Top Layer w0.15: v1(28.078,10.385) 26.375,12.088 26.375,21.08 28.339,23.044 v1(28.97,23.044)
  Layer 2 w0.15: v1(20.489,28.655) 26.1,23.044 v1(28.97,23.044)
  Bottom Layer w0.15: v1(20.489,28.655) 20.489,27.758 MOSFET1.6 ; v1(28.078,10.385) 28.075,10.382 28.075,9.341 28.916,8.5 30.419,8.5 30.993,9.074 U2.6 ; v1(28.97,23.044) 29.322,23.044 30.966,21.4 J2.17
SCL_1V8: MOSFET1.1 R1.2 U3.B7 | length 9.1
  Top Layer w0.15: U3.B7 v1(19.065,23.785) ; v1(21.366,25.959) 21.366,27.453 v1(22.249,28.336)
  Bottom Layer w0.15: v1(19.065,23.785) 19.065,24.859 19.53,25.324 20.731,25.324 v1(21.366,25.959) ; MOSFET1.1 22.249,27.711 v1(22.249,28.336) 23.408,28.336 R1.2
SDA: J2.18 MOSFET1.3 U2.5 | length 37.2
  Top Layer w0.15: v1(28.619,11.474) 27.231,12.862 27.231,21.041 28.439,22.249 29.336,22.249 30.058,22.971 30.058,23.709 30.817,24.468 v1(35.164,24.468)
  Bottom Layer w0.15: MOSFET1.3 22.422,26.706 22.31,26.594 22.31,26.312 23.306,25.316 26.085,25.316 26.743,24.658 26.743,21.217 v1(27.21,20.75) ; v1(28.619,11.474) 29.837,11.474 30.493,10.818 U2.5 ; J2.18 34.859,21.6 35.351,22.092 35.351,24.281 v1(35.164,24.468)
SDA_1V8: MOSFET1.4 R2.2 U3.A7 | length 4.8
  Top Layer w0.15: U3.A7 18.682,25.419 19.359,26.096 v1(20.212,26.096)
  Bottom Layer w0.15: R2.2 19.449,26.096 v1(20.212,26.096) 20.26,26.144 20.321,26.144 20.607,26.43 20.607,26.641 MOSFET1.4
XCLR: R9.2 U3.J9 U6.2 | length 19.4
  Top Layer w0.15: U3.J9 20.282,17.807 v1(20.673,18.198) ; v1(23.832,19.656) 23.832,21.835 27.083,25.086 v1(27.083,31.594)
  Bottom Layer w0.15: v1(20.673,18.198) 20.673,18.634 21.154,19.115 23.291,19.115 v1(23.832,19.656) ; R9.2 27.078,31.01 U6.2
XVS: J2.3 MOSFET3.3 | length 55
  Top Layer w0.15: v1(2.914,19.671) 2.914,8.643 6.735,4.822 28.621,4.822 31.308,7.509 v1(31.308,11.723)
  Bottom Layer w0.15: v1(2.914,19.671) 2.916,19.673 MOSFET3.3 MOSFET3.3 ; v1(31.308,11.723) 31.308,18.044 31.86,18.596 32.506,18.596 J2.3
XVS_1V8: MOSFET3.4 R4.2 U3.A2 | length 17.1
  Top Layer w0.15: v1(2.386,24.473) 2.565,24.294 9.394,24.294 11.314,26.214 13.953,26.214 14.682,25.485 U3.A2
  Bottom Layer w0.15: v1(2.386,24.473) 2.386,23.711 R4.2 2.36,23.685 2.36,23.051 2.917,22.494 MOSFET3.4
pads on no net: Designator6. Designator6.1 Designator6.2 Designator6.3 Designator6.4 J2.2 MOSFET2.2 MOSFET2.6 U1.4 U2.1 U2.2 U2.3 U2.7 U3.A1 U3.A4 U3.A8 U3.A10 U3.B4 U3.B5 U3.B8 U3.C9 U3.C10 U3.D9 U3.D10 U3.E2 U3.E9 U3.E10 U3.F1 U3.F2 U3.F3 U3.F9 U3.F10 U3.G1 U3.G2 U3.G3 U3.H3 U3.H9 U3.H10 U3.J3 U3.L2 U3.L8 U3.M1 U3.M2 U3.M8 U3.M10 U4.4

## Polygon pours and split planes (outlines as drawn)
GND on Bottom Layer "Bottom Layer-GND" (solid, pour order 18): 0,40 40,40 40,0 0,0
NetL1_1 on Bottom Layer "Bottom Layer-NetL1_1" (solid, pour order 16): 4.528,13.382 4.528,16.098 7.464,16.098 7.464,13.206 4.526,13.206 4.526,13.382
3V3 on Bottom Layer "Bottom Layer-3V3" (solid, pour order 14): 32.882,24.631 30.37,24.631 30.37,22.609 31.294,21.685 32.882,21.685
3V3 on Bottom Layer "Bottom Layer-3V3 1" (solid, pour order 12): 32.557,21.684
no net on Bottom Layer "Bottom Layer-No Net" (solid, pour order 10): 32.521,21.704
GND on Layer 2 "Layer 2-GND" (solid, pour order 20): 0,0 0,40 40,40 40,0
GND on Layer 1 "Layer 1-GND" (solid, pour order 22): 0,0 0,40 40,40 40,0
GND on Top Layer "Top Layer-GND" (solid, pour order 24): 0,0 0,39.998 39.998,39.998 39.998,0

## Keep-outs
Keep-Out Layer:
  the board outline again, w0.1

## Other copper
Layer 2:
  region net 3V3: 22.457,33.87 22.457,35.299 20.452,35.299 20.452,33.178 22.464,33.178 22.464,33.866
  region net 3.3VF: 17.916,37.053 17.916,39.234 20.761,39.234 20.761,36.388 17.915,36.388 17.915,37.061
  region net 3V3: 7.636,6.376 7.307,6.376 7.307,9.316 9.024,9.316 9.024,6.366 7.626,6.366
  region net 1V05: 15.774,12.972 15.774,14.287 14.115,14.287 14.115,12.72 15.769,12.72 15.769,12.969
  region net 2V8: 8.982,25.973 8.982,26.216 4.882,26.216 4.882,24.621 8.981,24.621 8.981,25.959
  region net 1V8: 24.174,17.796 24.174,19.091 25.227,19.091 25.227,17.106 23.957,17.106 23.957,17.796
  region net 1V8: 19.378,27.242 18.546,27.242 18.546,28.662 19.918,28.662 19.918,27.237 19.371,27.237
  region net 1V8: 14.861,35.56 13.601,35.56 13.601,37.374 16.851,37.374 16.851,35.555 14.866,35.555
  region net 3V3: 30.728,22.323 30.439,22.323 30.439,24.475 32.925,24.475 32.925,22.109 30.438,22.109 30.438,22.324
Bottom Layer:
  region net 3V3: 22.456,34.888 22.456,35.3 20.449,35.3 20.449,33.182 22.455,33.182 22.455,34.888
  region net 3.3VF: 17.864,36.418 17.864,39.219 22.166,39.219 22.166,36.403 17.87,36.403
  region net 3V3: 7.314,9.314 9.023,9.314 9.023,6.37 7.314,6.37
  region net 1V05: 17.878,18.898 17.878,20.615 19.146,20.615 19.146,18.398 17.874,18.398 17.874,18.894
  region net 1V05: 14.113,13.474 14.113,14.283 15.776,14.283 15.776,12.619 14.112,12.619 14.112,13.47
  region net 1V05: 4.633,17.051 4.633,19.865 7.511,19.865 7.511,17.043 4.632,17.043
  region net 2V8: 14.102,21.823 14.102,22.281 16.088,22.281 16.088,21.005 15.486,21.005 15.486,21.487 14.101,21.487 14.101,21.819
  region net 2V8: 4.882,26.217 4.882,24.619 8.973,24.619 8.973,26.217
  region net 1V8: 16.858,36.238 16.858,37.363 13.59,37.363 13.59,35.56 16.857,35.56 16.857,36.238

## Silkscreen, mask and mechanical layers (free items; w line width, h text height)
Top Overlay:
  drawing of 65469 lines, arcs and shapes, not listed

## Text inside footprints (layer, text, board x,y; h text height)
Designator6: Top Overlay "LENS" at 5.574,18.784 h1.27 r90; Mechanical 46 "3" at 11.584,30.222 h0.51 r90; Mechanical 46 "2" at 23.784,30.222 h0.51 r90; Mechanical 46 "4" at 11.584,9.022 h0.51 r90; Mechanical 46 "1" at 23.784,9.022 h0.51 r90
U3: Top Overlay "A" at 12.782,23.977 h0.5 r90; Top Overlay "E" at 12.757,20.852 h0.5 r90; Top Overlay "K" at 12.757,16.852 h0.5 r90; Top Overlay "M" at 12.732,15.127 h0.5 r90; Top Overlay "1" at 14.082,25.477 h0.5 r90; Top Overlay "5" at 17.357,25.477 h0.5 r90; Top Overlay "10" at 21.369,25.313 h0.5 r90; Mechanical 46 "G10" at 21.082,19.402 h0 r270; Mechanical 46 "B10" at 21.082,23.402 h0 r270; Mechanical 46 "A6" at 17.882,24.202 h0 r270; Mechanical 46 "F8" at 19.482,20.202 h0 r270; Mechanical 46 "H8" at 19.482,18.602 h0 r270; Mechanical 46 "J1" at 13.882,17.802 h0 r270; Mechanical 46 "H1" at 13.882,18.602 h0 r270; Mechanical 46 "L10" at 21.082,16.202 h0 r270; Mechanical 46 "B1" at 13.882,23.402 h0 r270; Mechanical 46 "A5" at 17.082,24.202 h0 r270; Mechanical 46 "B5" at 17.082,23.402 h0 r270; Mechanical 46 "A4" at 16.282,24.202 h0 r270; Mechanical 46 "B4" at 16.282,23.402 h0 r270; Mechanical 46 "A3" at 15.482,24.202 h0 r270; Mechanical 46 "B3" at 15.482,23.402 h0 r270; Mechanical 46 "D2" at 14.682,21.802 h0 r270; Mechanical 46 "D1" at 13.882,21.802 h0 r270; Mechanical 46 "A9" at 20.282,24.202 h0 r270; Mechanical 46 "E1" at 13.882,21.002 h0 r270; Mechanical 46 "C5" at 17.082,22.602 h0 r270; Mechanical 46 "C6" at 17.882,22.602 h0 r270; Mechanical 46 "C8" at 19.482,22.602 h0 r270; Mechanical 46 "A8" at 19.482,24.202 h0 r270; Mechanical 46 "A1" at 13.742,24.367 h0 r270; Mechanical 46 "A10" at 20.972,24.367 h0 r270; Mechanical 46 "B8" at 19.482,23.402 h0 r270; Mechanical 46 "C10" at 21.082,22.602 h0 r270; Mechanical 46 "C9" at 20.282,22.602 h0 r270; Mechanical 46 "D10" at 21.082,21.802 h0 r270; Mechanical 46 "D9" at 20.282,21.802 h0 r270; Mechanical 46 "F1" at 13.882,20.202 h0 r270; Mechanical 46 "F3" at 15.482,20.202 h0 r270; Mechanical 46 "E2" at 14.682,21.002 h0 r270; Mechanical 46 "F2" at 14.682,20.202 h0 r270; Mechanical 46 "E10" at 21.082,21.002 h0 r270; Mechanical 46 "F10" at 21.082,20.202 h0 r270; Mechanical 46 "E9" at 20.282,21.002 h0 r270; Mechanical 46 "F9" at 20.282,20.202 h0 r270; Mechanical 46 "G1" at 13.882,19.402 h0 r270; Mechanical 46 "G3" at 15.482,19.402 h0 r270; Mechanical 46 "G2" at 14.682,19.402 h0 r270; Mechanical 46 "H3" at 15.482,18.602 h0 r270; Mechanical 46 "H10" at 21.082,18.602 h0 r270; Mechanical 46 "H9" at 20.282,18.602 h0 r270; Mechanical 46 "J3" at 15.482,17.802 h0 r270; Mechanical 46 "M1" at 13.782,15.302 h0 r270; Mechanical 46 "M10" at 20.972,15.237 h0 r270; Mechanical 46 "K7" at 18.682,17.002 h0 r270; Mechanical 46 "C7" at 18.682,22.602 h0 r270; Mechanical 46 "K4" at 16.282,17.002 h0 r270; Mechanical 46 "C4" at 16.282,22.602 h0 r270; Mechanical 46 "E3" at 15.482,21.002 h0 r270; Mechanical 46 "L8" at 19.482,16.202 h0 r270; Mechanical 46 "M8" at 19.482,15.402 h0 r270; Mechanical 46 "L2" at 14.682,16.202 h0 r270; Mechanical 46 "M2" at 14.682,15.402 h0 r270; Mechanical 46 "L7" at 18.682,16.202 h0 r270; Mechanical 46 "M7" at 18.682,15.402 h0 r270; Mechanical 46 "L3" at 15.482,16.202 h0 r270; Mechanical 46 "M3" at 15.482,15.402 h0 r270; Mechanical 46 "L5" at 17.082,16.202 h0 r270; Mechanical 46 "M5" at 17.082,15.402 h0 r270; Mechanical 46 "A7" at 18.682,24.202 h0 r270; Mechanical 46 "B7" at 18.682,23.402 h0 r270; Mechanical 46 "K5" at 17.082,17.002 h0 r270; Mechanical 46 "K3" at 15.482,17.002 h0 r270; Mechanical 46 "C3" at 15.482,22.602 h0 r270; Mechanical 46 "K6" at 17.882,17.002 h0 r270; Mechanical 46 "K8" at 19.482,17.002 h0 r270; Mechanical 46 "E8" at 19.482,21.002 h0 r270; Mechanical 46 "D8" at 19.482,21.802 h0 r270; Mechanical 46 "D3" at 15.482,21.802 h0 r270; Mechanical 46 "A2" at 14.682,24.202 h0 r270; Mechanical 46 "J10" at 21.082,17.802 h0 r270; Mechanical 46 "K1" at 13.882,17.002 h0 r270; Mechanical 46 "C1" at 13.882,22.602 h0 r270; Mechanical 46 "J9" at 20.282,17.802 h0 r270; Mechanical 46 "K10" at 21.082,17.002 h0 r270; Mechanical 46 "M6" at 17.882,15.402 h0 r270; Mechanical 46 "G9" at 20.282,19.402 h0 r270; Mechanical 46 "G8" at 19.482,19.402 h0 r270; Mechanical 46 "J8" at 19.482,17.802 h0 r270; Mechanical 46 "K9" at 20.282,17.002 h0 r270; Mechanical 46 "L6" at 17.882,16.202 h0 r270; Mechanical 46 "M9" at 20.282,15.402 h0 r270; Mechanical 46 "L9" at 20.282,16.202 h0 r270; Mechanical 46 "B6" at 17.882,23.402 h0 r270; Mechanical 46 "B9" at 20.282,23.402 h0 r270; Mechanical 46 "M4" at 16.282,15.402 h0 r270; Mechanical 46 "H2" at 14.682,18.602 h0 r270; Mechanical 46 "J2" at 14.682,17.802 h0 r270; Mechanical 46 "L1" at 13.882,16.202 h0 r270; Mechanical 46 "K2" at 14.682,17.002 h0 r270; Mechanical 46 "L4" at 16.282,16.202 h0 r270; Mechanical 46 "C2" at 14.682,22.602 h0 r270; Mechanical 46 "B2" at 14.682,23.402 h0 r270; Mechanical 2 "CENTER OF THE ACTIVE IMAGE AREA" at 16.782,19.002 h0 r270